# Altium PCB PCB_Chassisv1.0.PcbDoc (part 1 of 3) (continued)
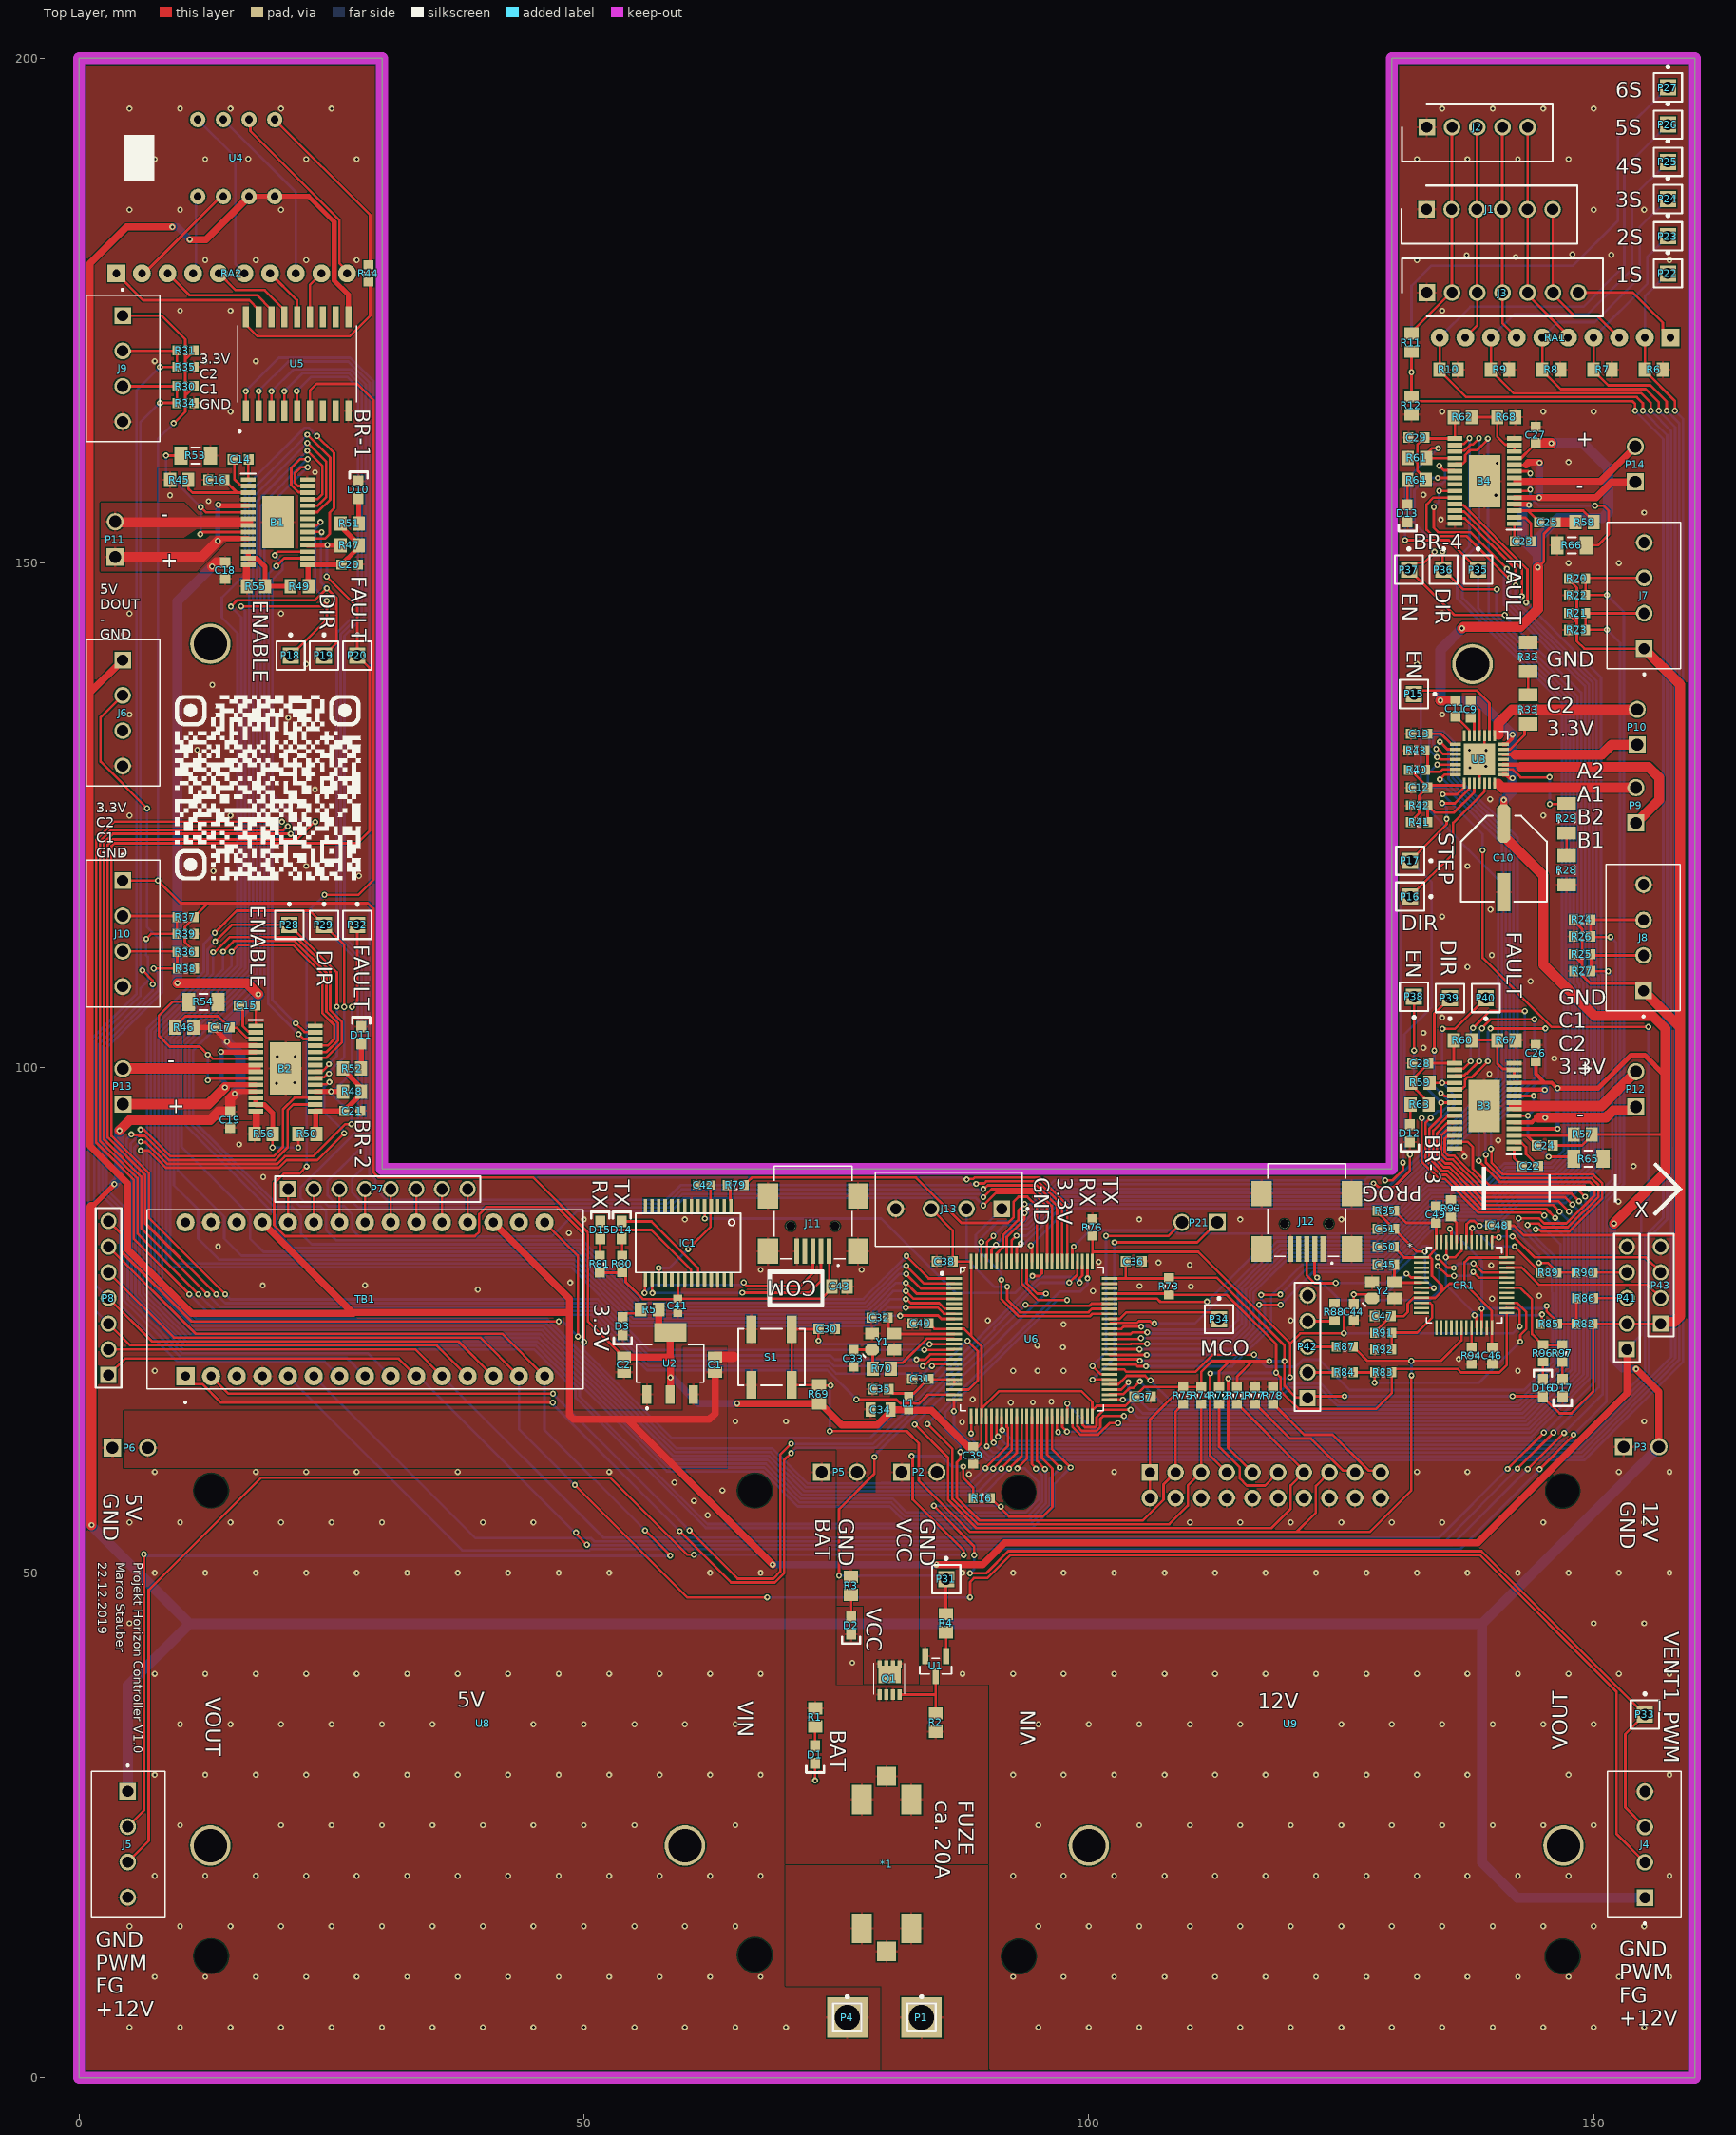
[diagram p0: Top Layer view]
## Components (designator, comment, footprint, x,y, rotation, side; value= is the part's Value field where it differs from the comment) (continued)
R47 "100k" "RES_0805i_2012m -N" 26.797,151.765 r0 top
R48 "100k" "RES_0805i_2012m -N" 27.051,97.663 r0 top
R49 "10k" "RES_0805i_2012m -N" 21.844,147.701 r0 top
R50 "10k" "RES_0805i_2012m -N" 22.606,93.472 r0 top
R51 "3k" "RES_0805i_2012m -N" 26.797,153.924 r180 top
R52 "3k" "RES_0805i_2012m -N" 27.04,99.949 r180 top
R53 "50m" "RES_1206i_C3216m -N" 11.557,160.655 r180 top
R54 "50m" "RES_1206i_C3216m -N" 12.319,106.553 r180 top
R55 "3k" "RES_0805i_2012m -N" 17.526,147.701 r0 top
R56 "3k" "RES_0805i_2012m -N" 18.288,93.472 r0 top
R57 "1M" "RES_0805i_2012m -N" 148.92,93.421 r180 top
R58 "1M" "RES_0805i_2012m -N" 149.098,154.051 r0 top
R59 "100k" "RES_0805i_2012m -N" 132.842,98.552 r180 top
R60 "10k" "RES_0805i_2012m -N" 137.033,102.743 r180 top
R61 "100k" "RES_0805i_2012m -N" 132.512,160.426 r180 top
R62 "10k" "RES_0805i_2012m -N" 137.033,164.465 r180 top
R63 "3k" "RES_0805i_2012m -N" 132.766,96.393 r0 top
R64 "3k" "RES_0805i_2012m -N" 132.461,158.242 r0 top
R65 "50m" "RES_1206i_C3216m -N" 149.479,91.008 r180 top
R66 "50m" "RES_1206i_C3216m -N" 147.828,151.765 r0 top
R67 "3k" "RES_0805i_2012m -N" 141.351,102.743 r180 top
R68 "3k" "RES_0805i_2012m -N" 141.34,164.465 r180 top
R69 "10k" "RES_0805i_2012m -N" 73.279,67.691 r90 top
R70 "390" "RES_0805i_2012m -N" 79.502,70.231 r180 top
R71 "10K" "RES_0603i_1608m -N" 114.681,67.564 r90 top
R72 "10K" "RES_0603i_1608m -N" 112.903,67.564 r90 top
R73 "10K" "RES_0603i_1608m -N" 107.925,78.384 r90 top
R74 "10K" "RES_0603i_1608m -N" 111.125,67.564 r90 top
R75 "10K" "RES_0603i_1608m -N" 109.347,67.564 r90 top
R76 "10K" "RES_0603i_1608m -N" 100.355,84.226 r270 top
R77 "10K" "RES_0603i_1608m -N" 116.459,67.564 r270 top
R78 "10K" "RES_0603i_1608m -N" 118.237,67.564 r270 top
R79 "10" "RES_0603i_1608m -N" 65.024,88.392 r0 top
R80 "1k" "RES_0603i_1608m -N" 53.772,80.594 r270 top
R81 "1k" "RES_0603i_1608m -N" 51.587,80.569 r270 top
R82 "680" "RES_0603i_1608m -N" 149.098,74.676 r0 top
R83 "100" "RES_0603i_1608m -N" 129.159,69.85 r0 top
R84 "22" "RES_0603i_1608m -N" 125.349,69.85 r0 top
R85 "220" "RES_0603i_1608m -N" 145.581,74.676 r180 top
R86 "22" "RES_0603i_1608m -N" 149.137,77.216 r0 top
R87 "22" "RES_0603i_1608m -N" 125.349,72.39 r0 top
R88 "22" "RES_0603i_1608m -N" 124.333,75.819 r90 top
R89 "220" "RES_0603i_1608m -N" 145.542,79.756 r180 top
R90 "22" "RES_0603i_1608m -N" 149.098,79.756 r180 top
R91 "100k" "RES_0603i_1608m -N" 129.159,73.787 r180 top
R92 "100k" "RES_0603i_1608m -N" 129.159,72.136 r0 top
R93 "10k" "RES_0603i_1608m -N" 135.865,86.081 r270 top
R94 "10k" "RES_0603i_1608m -N" 137.922,71.501 r90 top
R95 "1k" "RES_0603i_1608m -N" 129.413,85.852 r180 top
R96 "1k" "RES_0603i_1608m -N" 144.983,71.755 r90 top
R97 "1k" "RES_0603i_1608m -N" 146.888,71.73 r90 top
RA1 "100k" *SIP-10 157.607,172.339 r270 top
RA2 "1k" *SIP-10 3.683,178.689 r90 top
S1 "RESET" B3SL-1002P 68.58,71.374 r270 top
TB1 "ARDUINO_NANO" *SHIELD_ARDUINO_NANO 28.321,77.089 r90 top
U1 "Part Number: MMBT3904-7-F" SOT-23-M 84.836,40.767 r180 top value=Value
U2 "AZ1117EH-3.3TRG1" *SOT230P700X180-4N 58.547,70.739 r90 top
U3 "A4988SETTR-T" *QFN50P500X500X100-29N 138.684,130.556 r270 top
U4 "CD74HC4050PWR" KYX3118BRG 19.38,193.929 r180 top
U5 "ULN2803ADWRG4" *SOIC127P1030X265-18N 21.59,169.731 r90 top
U6 "STM32F107VCT6" *QFP50P1600X1600X160-100N 94.361,73.152 r0 top
U8 "DCDC-300W" DCDC-300W 40.005,35.154 r180 top
U9 "DCDC-300W" DCDC-300W 120,35 r0 top
Y1 "25MHz" "TSX-3225 2*2.5" 79.629,72.898 r180 top
Y2 "XTAL3" "TSX-3225 2*2.5" 129.159,77.978 r180 top

## Footprints (in the part's own frame and the unit in brackets; to place one, negate y for a bottom-side part, rotate by r counter-clockwise, add the part's x,y. Pads: shape width x height; smd on the part's side, far side on the other; paste and mask are expansions set on the pad)
"3.5MM Phoenix Contact 1984617" [mm]
  rect 1.7x1.7 hole 1.2: 1(0,0)
  round 1.7 hole 1.2: 2(3.5,0)
  body extent -1.67,-4.53 5.9,3.07, height 25.89
*0603 [mm]
  rect 1.1x1 smd: 1(-0.85,0) 2(0.85,0)
  silkscreen extent -1.78,-0.89 -1.14,0.89, body extent -0.8,-0.42 0.8,0.38, height 0.8
*CUI_UJ2-MABH-4-SMT_UJ2-MABH-4-SMT(Primary) [mm]
  rect 0.5x2.5 smd: 1(0,0) 2(0.8,0) 3(1.6,0) 4(2.4,0) 5(3.2,0)
  round 0.9 hole 0.9 unplated: None(-0.6,-2.51) None(3.8,-2.51)
  rect 2x2.5 smd: SH1(-2.86,0) SH2(6.06,0) SH3(-2.86,-5.48) SH4(6.06,-5.48)
  silkscreen extent -2.26,-8.45 5.46,1.48, body extent -3.18,-8.42 6.48,0.96, height 3.93
*PHOENIX_1751264 [mm]
  rect 1.65x1.65 hole 1.1: 1(-5.25,0)
  round 1.65 hole 1.1: 2(-1.75,0) 3(1.75,0) 4(5.25,0)
  silkscreen extent -7.9,-3.6 7.25,3.7, body extent -7.24,-3.56 7.26,3.74, height 8.5
*QFN50P500X500X100-29N [mil]
  rect 42x12 smd: 1(-93,59) 2(-93,39) 3(-93,20) 4(-93,0) 5(-93,-20) 6(-93,-39) 7(-93,-59) 15(93,-59) 16(93,-39) 17(93,-20) 18(93,0) 19(93,20) 20(93,39) 21(93,59)
  rect 12x42 smd: 8(-59,-93) 9(-39,-93) 10(-20,-93) 11(0,-93) 12(20,-93) 13(39,-93) 14(59,-93) 22(59,93) 23(39,93) 24(20,93) 25(0,93) 26(-20,93) 27(-39,93) 28(-59,93)
  rect 124x124 smd: 29(0,0)
  silkscreen extent -110,78 -78,110, body extent -99,-99 99,99, height 35
*QFP50P1600X1600X160-100N [mm]
  rect 1.56x0.28 smd: 1(-7.68,6) 2(-7.68,5.5) 3(-7.68,5) 4(-7.68,4.5) 5(-7.68,4) 6(-7.68,3.5) 7(-7.68,3) 8(-7.68,2.5) 9(-7.68,2) 10(-7.68,1.5) 11(-7.68,1) 12(-7.68,0.5) 13(-7.68,0) 14(-7.68,-0.5) 15(-7.68,-1) 16(-7.68,-1.5) 17(-7.68,-2) 18(-7.68,-2.5) 19(-7.68,-3) 20(-7.68,-3.5) 21(-7.68,-4) 22(-7.68,-4.5) 23(-7.68,-5) 24(-7.68,-5.5) 25(-7.68,-6) 51(7.68,-6) 52(7.68,-5.5) 53(7.68,-5) 54(7.68,-4.5) 55(7.68,-4) 56(7.68,-3.5) 57(7.68,-3) 58(7.68,-2.5) 59(7.68,-2) 60(7.68,-1.5) 61(7.68,-1) 62(7.68,-0.5) 63(7.68,0) 64(7.68,0.5) 65(7.68,1) 66(7.68,1.5) 67(7.68,2) 68(7.68,2.5) 69(7.68,3) 70(7.68,3.5) 71(7.68,4) 72(7.68,4.5) 73(7.68,5) 74(7.68,5.5) 75(7.68,6)
  rect 0.28x1.56 smd: 26(-6,-7.68) 27(-5.5,-7.68) 28(-5,-7.68) 29(-4.5,-7.68) 30(-4,-7.68) 31(-3.5,-7.68) 32(-3,-7.68) 33(-2.5,-7.68) 34(-2,-7.68) 35(-1.5,-7.68) 36(-1,-7.68) 37(-0.5,-7.68) 38(0,-7.68) 39(0.5,-7.68) 40(1,-7.68) 41(1.5,-7.68) 42(2,-7.68) 43(2.5,-7.68) 44(3,-7.68) 45(3.5,-7.68) 46(4,-7.68) 47(4.5,-7.68) 48(5,-7.68) 49(5.5,-7.68) 50(6,-7.68) 76(6,7.68) 77(5.5,7.68) 78(5,7.68) 79(4.5,7.68) 80(4,7.68) 81(3.5,7.68) 82(3,7.68) 83(2.5,7.68) 84(2,7.68) 85(1.5,7.68) 86(1,7.68) 87(0.5,7.68) 88(0,7.68) 89(-0.5,7.68) 90(-1,7.68) 91(-1.5,7.68) 92(-2,7.68) 93(-2.5,7.68) 94(-3,7.68) 95(-3.5,7.68) 96(-4,7.68) 97(-4.5,7.68) 98(-5,7.68) 99(-5.5,7.68) 100(-6,7.68)
  silkscreen extent -9.02,-7.1 7.1,7.1, body extent -8,-8 8,8, height 1.5
*SHIELD_ARDUINO_NANO [mm]
  rect 1.8x1.8 hole 0.9: 1(-7.62,17.78)
  round 1.8 hole 0.9: 2(-7.62,15.24) 3(-7.62,12.7) 4(-7.62,10.16) 5(-7.62,7.62) 6(-7.62,5.08) 7(-7.62,2.54) 8(-7.62,0) 9(-7.62,-2.54) 10(-7.62,-5.08) 11(-7.62,-7.62) 12(-7.62,-10.16) 13(-7.62,-12.7) 14(-7.62,-15.24) 15(-7.62,-17.78) 16(7.62,-17.78) 17(7.62,-15.24) 18(7.62,-12.7) 19(7.62,-10.16) 20(7.62,-7.62) 21(7.62,-5.08) 22(7.62,-2.54) 23(7.62,0) 24(7.62,2.54) 25(7.62,5.08) 26(7.62,7.62) 27(7.62,10.16) 28(7.62,12.7) 29(7.62,15.24) 30(7.62,17.78)
  silkscreen extent -10.3,-21.59 8.89,21.59, body extent -9.13,-23.27 8.87,21.73, height 12.7
*SIP-10 [mil]
  rect 70x70 hole 30: 1(0,0)
  round 70 hole 30: 2(0,-100) 3(0,-200) 4(0,-300) 5(0,-400) 6(0,-500) 7(0,-600) 8(0,-700) 9(0,-800) 10(0,-900)
  body extent -49,-945 49,53, height 195
*SOIC127P1030X265-18N [mm]
  rect 2.06x0.6 smd: 1(-4.64,5.08) 2(-4.64,3.81) 3(-4.64,2.54) 4(-4.64,1.27) 5(-4.64,0) 6(-4.64,-1.27) 7(-4.64,-2.54) 8(-4.64,-3.81) 9(-4.64,-5.08) 10(4.64,-5.08) 11(4.64,-3.81) 12(4.64,-2.54) 13(4.64,-1.27) 14(4.64,0) 15(4.64,1.27) 16(4.64,2.54) 17(4.64,3.81) 18(4.64,5.08)
  silkscreen extent -6.8,-5.87 3.8,5.87, body extent -5.15,-5.77 5.15,5.77, height 2.65
*SOT230P700X180-4N [mm]
  rect 1.86x0.9 smd: 1(-3.075,2.3) 2(-3.075,0) 3(-3.075,-2.3)
  rect 1.86x3.19 smd: 4(3.075,0)
  silkscreen extent -4.55,-3.35 1.85,3.35, body extent -3.48,-3.25 3.48,3.25, height 1.66
*SSOP28-LD [mm]
  rect 0.348x1.397 smd: 1(-4.225,-3.656) 2(-3.575,-3.656) 3(-2.925,-3.656) 4(-2.275,-3.656) 5(-1.625,-3.656) 6(-0.975,-3.656) 7(-0.325,-3.656) 8(0.325,-3.656) 9(0.975,-3.656) 10(1.625,-3.656) 11(2.275,-3.656) 12(2.925,-3.656) 13(3.575,-3.656) 14(4.225,-3.656) 15(4.225,3.656) 16(3.575,3.656) 17(2.925,3.656) 18(2.275,3.656) 19(1.625,3.656) 20(0.975,3.656) 21(0.325,3.656) 22(-0.325,3.656) 23(-0.975,3.656) 24(-1.625,3.656) 25(-2.275,3.656) 26(-2.925,3.656) 27(-3.575,3.656) 28(-4.225,3.656)
  silkscreen extent -5.2,-2.93 5.2,2.93, body extent -5.17,-3.88 5.16,3.88, height 2.16
B3SL-1002P [mm] "Omrom"
  rect 2.75x1 smd: 1(-2.75,2) 1(2.75,2) 2(-2.75,-2) 2(2.75,-2)
  silkscreen extent -2.79,-3.3 2.79,3.3, body extent -3.5,-3.25 3.5,3.25, height 3.4
"CAP_0603i_1608m -L" [mm] "Chip Capacitor, Body 1.6x0.8mm, IPC High Density"
  rect 0.8x0.9 smd: 1(-0.7,0) 2(0.7,0)
  body extent -0.8,-0.4 0.8,0.4, height 0.8
"CAP_0603i_1608m -N" [mm] "Chip Capacitor, Body 1.6x0.8mm, IPC Medium Density"
  rect 1x1 smd: 1(-0.8,0) 2(0.8,0)
  body extent -0.8,-0.4 0.8,0.4, height 0.8
"CAP_0805i_2012m -L" [mm] "Chip Capacitor, Body 2.0x1.3mm, IPC High Density"
  rect 1.1x1.4 smd: 1(-0.75,0) 2(0.75,0)
  body extent -1,-0.62 1,0.63, height 0.6
"CAP_0805i_2012m -N" [mm] "Chip Capacitor, Body 2.0x1.3mm, IPC Medium Density"
  rect 1x1.4 smd: 1(-1,0) 2(1,0)
  body extent -1,-0.62 1,0.63, height 0.6
Cap_F-Type-Package [mm] "elko \"mug\"-style package"
  oct 1.3x3.8 smd: 1(0,0)
  rect 1.3x3.8 smd: 2(0,6.8)
  silkscreen extent -4.26,-0.76 4.26,7.74, body extent -4.15,-1.52 4.15,8.38, height 10.2
DCDC-300W [mil] "6-36V 20A"
  round 60 hole 129.92 unplated: 0(-1060,-905) 0(-1060,905) 0(1060,-905) 0(1060,910)
  body extent -1181,-1186 1181,1199, height 1146
FUSE-3586KTR [mm]
  rect 1.9x1.9 smd: 1(0,0) 2(17.34,0)
  rect 2.9x2 smd: 1(2.29,-2.45) 1(2.29,2.45) 2(15.05,-2.45) 2(15.05,2.45)
HDR1X4 [mm] "Connector; Header; 4 Position"
  rect 1.6x1.6 hole 1.1: 1(0,0)
  round 1.6 hole 1.1: 2(2.54,0) 3(5.08,0) 4(7.62,0)
  silkscreen extent -1.27,-1.27 8.89,1.27, body extent -1.27,-1.27 8.89,1.27, height 10.3
HDR1X5 [mm] "Connector; Header; 5 Position"
  rect 1.6x1.6 hole 1.1: 1(0,0)
  round 1.6 hole 1.1: 2(2.54,0) 3(5.08,0) 4(7.62,0) 5(10.16,0)
  silkscreen extent -1.27,-1.27 11.43,1.27, body extent -1.27,-1.27 11.43,1.27, height 10.3
HDR1X7 [mm] "Connector; Header; 7 Position"
  rect 1.6x1.6 hole 1.1: 1(0,0)
  round 1.6 hole 1.1: 2(2.54,0) 3(5.08,0) 4(7.62,0) 5(10.16,0) 6(12.7,0) 7(15.24,0)
  silkscreen extent -1.27,-1.27 16.51,1.27
HDR1X8 [mm] "Connector; Header; 8 Position"
  rect 1.6x1.6 hole 1.1: 1(0,0)
  round 1.6 hole 1.1: 2(2.54,0) 3(5.08,0) 4(7.62,0) 5(10.16,0) 6(12.7,0) 7(15.24,0) 8(17.78,0)
  silkscreen extent -1.27,-1.27 19.05,1.27, body extent -1.17,-1.24 19.15,1.25, height 8.2
IDC-20 [mm] "Connector; IDC, Low Profile Male Header, Thru-Hole; 20 Position; Vertical; Pitch 2.54 mm; Body 33.02 x 9.2 x 9.45 mm (LxWxH)"
  rect 1.65x1.65 hole 1: 1(-11.43,-1.27)
  round 1.65 hole 1: 2(-11.43,1.27) 3(-8.89,-1.27) 4(-8.89,1.27) 5(-6.35,-1.27) 6(-6.35,1.27) 7(-3.81,-1.27) 8(-3.81,1.27) 9(-1.27,-1.27) 10(-1.27,1.27) 11(1.27,-1.27) 12(1.27,1.27) 13(3.81,-1.27) 14(3.81,1.27) 15(6.35,-1.27) 16(6.35,1.27) 17(8.89,-1.27) 18(8.89,1.27) 19(11.43,-1.27) 20(11.43,1.27)
  silkscreen extent -16.51,-5.37 16.51,4.6, body extent -16.51,-4.37 16.51,4.73, height 9.15
"IND_0603i_1608m -L" [mm] "Chip Inductor, Body 1.6x0.8mm, IPC High Density"
  rect 0.8x0.9 smd: 1(-0.7,0) 2(0.7,0)
  body extent -0.87,-0.48 0.87,0.48, height 0.71
KYX3118BRG [mil]
  round 60 hole 30: A-IN(0,300) A-OUT(0,0) B(100,0) B-F(100,300) C(200,0) D(300,0) E(300,300) F(200,300)
  silkscreen extent 470,60 590,240
LQFP-48 [mm]
  rect 1.462x0.239 smd: 1(-4.216,2.75) 2(-4.216,2.25) 3(-4.216,1.75) 4(-4.216,1.25) 5(-4.216,0.75) 6(-4.216,0.25) 7(-4.216,-0.25) 8(-4.216,-0.75) 9(-4.216,-1.25) 10(-4.216,-1.75) 11(-4.216,-2.25) 12(-4.216,-2.75) 25(4.216,-2.75) 26(4.216,-2.25) 27(4.216,-1.75) 28(4.216,-1.25) 29(4.216,-0.75) 30(4.216,-0.25) 31(4.216,0.25) 32(4.216,0.75) 33(4.216,1.25) 34(4.216,1.75) 35(4.216,2.25) 36(4.216,2.75)
  rect 0.239x1.462 smd: 13(-2.75,-4.216) 14(-2.25,-4.216) 15(-1.75,-4.216) 16(-1.25,-4.216) 17(-0.75,-4.216) 18(-0.25,-4.216) 19(0.25,-4.216) 20(0.75,-4.216) 21(1.25,-4.216) 22(1.75,-4.216) 23(2.25,-4.216) 24(2.75,-4.216) 37(2.75,4.216) 38(2.25,4.216) 39(1.75,4.216) 40(1.25,4.216) 41(0.75,4.216) 42(0.25,4.216) 43(-0.25,4.216) 44(-0.75,4.216) 45(-1.25,4.216) 46(-1.75,4.216) 47(-2.25,4.216) 48(-2.75,4.216)
  silkscreen extent -3.73,-3.73 3.73,3.73, body extent -4.6,-4.6 4.6,4.6, height 1.6
PIN1#1 [mm] "Connector; Plug"
  rect 4x4 hole 2.5: 1(0,0)
  silkscreen extent -1.4,-1.4 1.4,2.17
PIN1#2 [mm] "Connector; Plug"
  rect 1.6x1.6 hole 1.1: 1(0,0)
  silkscreen extent -1.4,-1.4 1.4,2.18
"RES_0603i_1608m -N" [mm] "Chip Resistor, Body 1.6x0.8mm, IPC Medium Density"
  rect 0.9x1 smd: 1(-0.85,0) 2(0.85,0)
  silkscreen extent -0.13,-0.38 0.13,0.38, body extent -0.8,-0.4 0.8,0.4, height 0.4
"RES_0805i_2012m -N" [mm] "Chip Resistor, Body 2.0x1.3mm, IPC Medium Density"
  rect 1.2x1.4 smd: 1(-0.9,0) 2(0.9,0)
  body extent -1,-0.62 1,0.63, height 0.5
"RES_1206i_C3216m -N" [mm] "Chip Resistor, Body 3.2x1.6mm, IPC Medium Density"
  rect 1.3x1.8 smd: 1(-1.45,0) 2(1.45,0)
  silkscreen extent -0.4,-0.8 0.4,0.8, body extent -1.68,-0.87 1.68,0.87, height 0.71
SHDR5W64P0X250_1X5_1490X575X700P [mm]
  rect 1.65x1.65 / inner round 1.65 / far side rect 1.65x1.65 hole 1.1: 1(0,0)
  round 1.65 hole 1.1: 2(-2.5,0) 3(-5,0) 4(-7.5,0) 5(-10,0)
  silkscreen extent -12.45,-2.35 2.45,3.4, body extent -12.4,-3.34 2.5,2.41, height 7
SHDR6W64P0X250_1X6_1740X575X700P [mm]
  rect 1.65x1.65 / inner round 1.65 / far side rect 1.65x1.65 hole 1.1: 1(0,0)
  round 1.65 hole 1.1: 2(-2.5,0) 3(-5,0) 4(-7.5,0) 5(-10,0) 6(-12.5,0)
  silkscreen extent -14.95,-2.35 2.45,3.4, body extent -14.92,-3.43 2.48,2.32, height 7
SHDR7W64P0X250_1X7_1990X575X700P [mm]
  rect 1.65x1.65 / inner round 1.65 / far side rect 1.65x1.65 hole 1.1: 1(0,0)
  round 1.65 hole 1.1: 2(2.5,0) 3(5,0) 4(7.5,0) 5(10,0) 6(12.5,0) 7(15,0)
  silkscreen extent -2.45,-2.35 17.45,3.4, body extent -2.45,-2.35 17.45,3.4, height 7
SIS862DNT1GE3 [mm]
  rect 0.99x0.405 smd: 1(-1.555,0.992) 2(-1.555,0.332) 3(-1.555,-0.328) 4(-1.555,-0.988)
  rect 0.51x0.405 smd: 5(1.555,-0.988) 6(1.555,-0.328) 7(1.555,0.332) 8(1.555,0.992)
  rect 1.725x2.235 smd: 9(0.438,0.002)
  rect 0.25x0.077 smd: 10(1.175,-1.156) 11(1.175,1.156)
  silkscreen extent -1.53,-1.53 1.56,1.53
SOP65P640X120-29N [mm]
  rect 1.475x0.45 smd: 1(-2.938,4.225) 2(-2.938,3.575) 3(-2.938,2.925) 4(-2.938,2.275) 5(-2.938,1.625) 6(-2.938,0.975) 7(-2.938,0.325) 8(-2.938,-0.325) 9(-2.938,-0.975) 10(-2.938,-1.625) 11(-2.938,-2.275) 12(-2.938,-2.925) 13(-2.938,-3.575) 14(-2.938,-4.225) 15(2.938,-4.225) 16(2.938,-3.575) 17(2.938,-2.925) 18(2.938,-2.275) 19(2.938,-1.625) 20(2.938,-0.975) 21(2.938,-0.325) 22(2.938,0.325) 23(2.938,0.975) 24(2.938,1.625) 25(2.938,2.275) 26(2.938,2.925) 27(2.938,3.575) 28(2.938,4.225)
  rect 3.1x5.18 smd: 29(0,0)
  silkscreen extent -3.67,4.8 -2.2,4.8, body extent -3.2,-4.85 3.2,4.85, height 1.2
SOT-23-M [mm]
  rect 0.61x1.61 smd paste+0 mask+0: 1(-1.025,-0.995) 2(1.025,-0.995) 3(0,0.995)
  silkscreen extent -1.58,-0.78 1.58,0.78, body extent -1.5,-1.25 1.5,1.25, height 1.06
"TSX-3225 2*2.5" [mm]
  oct 1.4x1.15 smd: 1(1.1,0.8)
  rect 1.4x1.15 smd: 2(-1.1,0.8) 3(-1.1,-0.8) 4(1.1,-0.8)
  silkscreen extent 1.78,1.27 2.03,1.52, body extent -1.6,-1.23 1.6,1.27, height 0.6

## Part data
B1 B2 B3 B4: "Texas Instruments DRV8840PWP, Full Bridge Motor Driver, DC Motor Driver, 28-Pin HTSSOP", Manufacturer_Name="Texas Instruments", Mouser Part Number=595-DRV8840PWP, Datasheet Link=http://www.ti.com/lit/ds/symlink/drv8840.pdf, Geometry.Height=1.2mm, Manufacturer_Part_Number=DRV8840PWP, Mouser Price/Stock=https://www.mouser.com/Search/Refine.aspx?Keyword=595-DRV8840PWP
C1 C2 C9 C11 C12 C13 C16 C17 C18 C19 C20 C21 C24 C25 C26 C27 C28 C29 C31 C32 C33 C34 C35 C36 C37 C38 C39 C40 C41 C42 C43 C44 C45 C46 C47 C48 C49 C50 C51: library part Cap, "capacitor"
C10: library part "Cap pol2", "polarised capacitor alternative"
C14 C15 C22 C23: library part Cap, "50V"
C30: "capacitor"
D1 D2 D3 D10 D11 D12 D13 D14 D16: library part LTST-C191KGKT, "LED; SMD; 0603; grün; 35mcd; 1.6x0.8x0.55mm; 130Â°; 2Ã·2.V; 20mA", Package="0603 Lite-On", Digi-Key_Part_Number=160-1446-1-ND, Digi-Key_Purchase_URL=https://www.digikey.ch/product-detail/de/lite-on-inc/LTST-C191KGKT/160-1446-1-ND/386834, MF="Lite-On Inc.", MP=LTST-C191KGKT, SnapEDA_Link=https://www.snapeda.com/parts/LTST-C191KFKT/Lite-On%20Inc./view-part/?ref=snap
D15 D17: library part LTST-C191KFKT, "LED; SMD; 0603; orange; 45-90mcd; 1.6x0.8x0.55mm; 130°; 2÷2.4V; 20mA", Package="0603 Lite-On", Digi-Key_Part_Number=160-1445-1-ND, Digi-Key_Purchase_URL=https://www.digikey.com/product-detail/en/lite-on-inc/LTST-C191KFKT/160-1445-1-ND/386832?utm_source=snapeda&utm_medium=aggregator&utm_campaign=symbol, MF="Lite-On Inc.", MP=LTST-C191KFKT, SnapEDA_Link=https://www.snapeda.com/parts/LTST-C191KFKT/Lite-On%20Inc./view-part/?ref=snap
IC1: "USB-to-UART 1-CH 256byte FIFO 5V 28-Pin SSOP Tube", Package="SSOP-28 FTDI", Digi-Key_Part_Number=768-1306-ND, Digi-Key_Purchase_URL=https://www.digikey.com/product-detail/en/ftdi-future-technology-devices-international-ltd/FT232RL-TUBE/768-1306-ND/4006920?utm_source=snapeda&utm_medium=aggregator&utm_campaign=symbol, MF=FTDI,, MP=FT232RL-TUBE, SnapEDA_Link=https://www.snapeda.com/parts/FT232RL-TUBE/FTDI%2C%20Future%20Technology%20Devices%20International%20Ltd/view-part/?ref=snap
J1: "XH connector, 6 way", Manufacturer_Name="JST (JAPAN SOLDERLESS TERMINALS)", RS Part Number=8201563P, Datasheet Link=http://www.jst-mfg.com/product/pdf/eng/eXH.pdf, Geometry.Height=7mm, Manufacturer_Part_Number=B6B-XH-A(LF)(SN), RS Price/Stock=http://uk.rs-online.com/web/p/products/8201563P
J2: "XH connector, 5 way", Manufacturer_Name="JST (JAPAN SOLDERLESS TERMINALS)", RS Part Number=8201560P, Datasheet Link=http://www.jst-mfg.com/product/pdf/eng/eXH.pdf, Geometry.Height=7mm, Manufacturer_Part_Number=B5B-XH-A(LF)(SN), RS Price/Stock=http://uk.rs-online.com/web/p/products/8201560P
J3: library part B7B-XH-A(LF)(SN), "Shrouded hdr,XH,2.5mm pitch,straight,7w JST XH Series, 2.5mm Pitch 7 Way 1 Row Straight PCB Header, Solder Termination, 3A", Manufacturer_Name="JST (JAPAN SOLDERLESS TERMINALS)", RS Part Number=8201567P, Datasheet Link=http://www.jst-mfg.com/product/pdf/eng/eXH.pdf, Geometry.Height=7mm, Manufacturer_Part_Number=B7B-XH-A(LF)(SN), RS Price/Stock=http://uk.rs-online.com/web/p/products/8201567P
J4 J5 J6 J7 J8 J9 J10 J13: library part "Terminal 4 Pin", "Conn; Term Blk; Screw; 4: 3.5 mm; 26-16 AWG; 10 A; 160 V; Solder; 2.5 kV; PA", Package=None, Digi-Key_Part_Number=277-5744-ND, Digi-Key_Purchase_URL=https://www.digikey.com/product-detail/en/phoenix-contact/1751264/277-5744-ND/2511021?utm_source=snapeda&utm_medium=aggregator&utm_campaign=symbol, MF="Phoenix Contact", MP=1751264, SnapEDA_Link=https://www.snapeda.com/parts/1751264/Phoenix%20Contact/view-part/1231309/?ref=snap
J11: "Mini AB, USB 2.0, 1 A, Right Angle, Surface Mount _SMT_, USB Receptacle", Package=None, CUI_purchase_URL=https://www.cui.com/product/interconnect/connectors/usb-connectors/uj2-mabh-smt-series?utm_source=snapeda.com&utm_medium=referral&utm_campaign=snapedaBOM, Digi-Key_Part_Number=102-5890-1-ND, Digi-Key_Purchase_URL=https://www.digikey.com/product-detail/en/cui-inc/UJ2-MABH-4-SMT-TR/102-5890-1-ND/9838992?utm_source=snapeda&utm_medium=aggregator&utm_campaign=symbol, MF="CUI Inc.", MP=UJ2-MABH-4-SMT, SnapEDA_Link=https://www.snapeda.com/parts/UJ2-MABH-4-SMT/CUI%20Inc./view-part/?ref=snap
J12: library part UJ2-MABH-4-SMT, "Mini AB, USB 2.0, 1 A, Right Angle, Surface Mount _SMT_, USB Receptacle", Package=None, CUI_purchase_URL=https://www.cui.com/product/interconnect/connectors/usb-connectors/uj2-mabh-smt-series?utm_source=snapeda.com&utm_medium=referral&utm_campaign=snapedaBOM, Digi-Key_Part_Number=102-5890-1-ND, Digi-Key_Purchase_URL=https://www.digikey.com/product-detail/en/cui-inc/UJ2-MABH-4-SMT-TR/102-5890-1-ND/9838992?utm_source=snapeda&utm_medium=aggregator&utm_campaign=symbol, MF="CUI Inc.", MP=UJ2-MABH-4-SMT, SnapEDA_Link=https://www.snapeda.com/parts/UJ2-MABH-4-SMT/CUI%20Inc./view-part/?ref=snap
P1 P4: library part Pad, "Single Pad or Testpoint"
P2 P3 P5 P6 P9 P10 P11 P12 P13 P14 P21: "Header, 2-Pin"
P7: library part "Header 8", "Header, 8-Pin"
P8: "Header, 7-Pin"
P15 P16 P17 P18 P19 P20 P22 P23 P24 P25 P26 P27 P28 P29 P31 P32 P33 P34 P35 P36 P37 P38 P39 P40: "Single Pad or Testpoint"
P30: "Connector; IDC, Male Header, Thru-Hole; 20 Position; Vertical; Pitch 2.54 mm; B"
P41 P42: library part "Header 5", "Header, 5-Pin"
P43: library part "Header 4", "Header, 4-Pin"
Q1: library part SI7615ADN-T1-GE3, "P-Channel MOSFET, 35 A, 20 V, 8-Pin PowerPAK 1212 Vishay", Manufacturer_Name=Vishay, Mouser Part Number=78-SI7615ADN-T1-GE3, RS Part Number=7879248, Allied_Number=70459567, Allied Price/Stock=https://www.alliedelec.com/siliconix-vishay-si7615adn-t1-ge3/70459567/, Datasheet Link=https://www.vishay.com/docs/62667/si7615adn.pdf, Manufacturer_Part_Number=SI7615ADN-T1-GE3, Mouser Price/Stock=https://www.mouser.com/Search/Refine.aspx?Keyword=78-SI7615ADN-T1-GE3, RS Price/Stock=https://uk.rs-online.com/web/p/products/7879248
R1 R2 R3 R4 R5 R6 R7 R8 R9 R10 R11 R12 R16 R20 R21 R22 R23 R24 R25 R26 R27 R28 R29 R30 R31 R32 R33 R34 R35 R36 R37 R38 R39 R41 R42 R43 R44 R45 R46 R47 R48 R49 R50 R51 R52 R53 R54 R55 R56 R57 R58 R59 R60 R61 R62 R63 R64 R65 R66 R67 R68 R69 R70 R71 R72 R73 R74 R75 R76 R77 R78 R79 R80 R81 R82 R83 R84 R85 R86 R87 R88 R89 R90 R91 R92 R93 R94 R95 R96 R97: library part Res, "Resistor"
R40: library part Res
RA1 RA2: library part "Res Array  5", "Isolated Resistor Network"
S1: library part "SW PB", "Switch"
TB1: "Dev.kit: Arduino; UART; ICSP, USB B mini, pin strips", Package=None, MF=Arduino, MP="ARDUINO NANO", SnapEDA_Link=https://www.snapeda.com/parts/ARDUINO%20NANO/Arduino/view-part/?ref=snap
U1: library part MMBT3904-7-F, "No Description Available", Built_By=EMA_UL_Team, Copyright="Copyright (C) 2018 Accelerated Designs. All rights reserved", Manufacturer_Part_Number=MMBT3904-7-F, RefDes=RefDes, Type=DEV, Vendor="Diodes Inc"
U2: "Ldo.Vreg Pos 3, 3v 1a Sot223", Package="SOT-223 Diodes Inc.", Digi-Key_Part_Number=AZ1117EH-3.3TRG1DICT-ND, Digi-Key_Purchase_URL=https://www.digikey.ch/product-detail/en/diodes-incorporated/AZ1117EH-3.3TRG1/AZ1117EH-3.3TRG1DICT-ND/5001336?utm_source=snapeda&utm_medium=aggregator&utm_campaign=symbol, MF="Diodes Inc.", MP=AZ1117EH-3.3TRG1, SnapEDA_Link=https://www.snapeda.com/parts/AZ1117EH-3.3TRG1/Diodes%20Inc./view-part/?ref=snap
U3: "DMOS Microstepping Driver with Translator and Overcurrent Protection", Package="QFN-28 Allegro MicroSystems LLC", Digi-Key_Part_Number=620-1343-1-ND, Digi-Key_Purchase_URL=https://www.digikey.ch/product-detail/en/allegro-microsystems/A4988SETTR-T/620-1343-1-ND/2238004?utm_source=snapeda&utm_medium=aggregator&utm_campaign=symbol, MF=Allegro, MP=A4988SETTR-T, SnapEDA_Link=https://www.snapeda.com/parts/A4988SETTR-T/Allegro%20Industries/view-part/46276/?ref=snap
U4: library part KYX3118BRG, Manufacturer="Texas Instruments", Built_By=EMA_UL_Team, C="Copyright (C) 2015 Accelerated Designs. All rights reserved", Manufacturer_Part_Number=CD74HC4050PWR, Vendor=Vendor
U5: "Trans Darlington NPN 50V 0.5A 18-Pin SOIC T/R", Package="SOIC-18 Texas Instruments", Digi-Key_Part_Number=296-35964-1-ND, Digi-Key_Purchase_URL=https://www.digikey.com/product-detail/en/texas-instruments/ULN2803ADWRG4/296-35964-1-ND/4134939?utm_source=snapeda&utm_medium=aggregator&utm_campaign=symbol, MF="Texas Instruments", MP=ULN2803ADWRG4, SnapEDA_Link=https://www.snapeda.com/parts/ULN2803ADWRG4/Texas%20Instruments/view-part/1177700/?ref=snap
U6: library part STM32F107VCT6_1, "STM32 Series 32-bit 256 kB Flash 64 kB RAM ARM Based Microcontroller -LQFP-100", Package="LQFP-100 STMicroelectronics", Availability=Unavailable, MF=STMicroelectronics, MP=STM32F107VCT6, Price=None, SnapEDA_Link=https://www.snapeda.com/parts/STM32F107VCT6/STMicroelectronics/view-part/?ref=snap
U8 U9: "6-36V 20A"
Y1: library part XTAL3, "Industrial Ceramic Resonator"
Y2: "Industrial Ceramic Resonator"
CR1: Built_By=EMA_UL_Team, C="Copyright (C) 2015 Accelerated Designs. All rights reserved", Manufacturer_Part_Number=STM32F103C8T6, Vendor=STMicroelectronics

## Free pads (board coordinates)
  round 4 hole 3.3 unplated: 1(13,23) 1(13,142) 1(60,23) 1(100,23) 1(138,140) 1(147,23)

## Via types
v1: diameter 0.6, hole 0.3, Top Layer to Bottom Layer, tented both sides, 760 vias

## Nets (pads, with @x,y where several pads share a name; then routed paths per layer and width w, separated by ;. In a path a pad name is that pad's centre, name@x,y a point inside that pad or via, vN(x,y) a via of type N, cw(c..) or ccw(c..) an arc to the next point about the centre after c; other vN are vias at no path point)
+3.3: C2.2 C34.2 C36.2 C37.2 C38.2 C39.2 C40.2 C46.2 C47.2 C48.2 C49.2 C50.2 CR1.1 CR1.9 CR1.24 CR1.36 CR1.48 D16.2 J7.1 J8.1 J9.1 J10.1 J13.3 L1.2 P30.1 P30.2 P41.2 P42.1 P43.1 R5.2 R20.2 R21.2 R24.2 R25.2 R30.2 R31.2 R36.2 R37.2 R69.1 R71.2 R72.2 R73.2 R74.2 R75.2 R82.2 R91.2 R95.1 U2.2 U2.4 U6.11 U6.28 U6.50 U6.75 U6.100 | length 533.3
  Top Layer w0.254: J10.1@4.318,118.562 v1(7.814,118.562) 10.044,116.332 12.788,116.332 ; J9.1@4.318,174.513 8.164,174.513 10.516,172.161 10.516,170.144 ; v1@9.385,163.843 10.516,164.973 10.516,166.588 ; R36.2@11.391,111.506 11.391,111.556 10.483,112.464 10.483,113.977 11.391,114.885 R37.2@11.391,114.935 11.391,114.985 11.714,115.308 11.764,115.308 12.788,116.332 ; R30.2@11.391,167.513 11.391,167.463 10.516,166.588 ; R31.2@11.391,171.069 11.391,171.019 10.516,170.144 ; C2.2@53.975,71.362 53.825,71.362 53.402,71.785 53.402,71.935 50.394,74.943 50.394,83.744 44.991,89.146 29.656,89.146 29.156,89.646 29.156,90.627 29.156,115.773 28.597,116.332 12.788,116.332 ; C40.2@84.137,74.727 84.712,74.152 U6.11@86.681,74.152 86.694,74.165 87.652,74.165 87.655,74.168 88.361,73.462 ; J13.3@84.381,86.055 86.525,83.912 C38.2@86.525,80.848 86.541,80.832 U6.100@88.361,80.832 88.361,73.462 ; C39.2@88.519,62.014 89.361,62.856 U6.28@89.361,65.472 89.374,65.485 89.374,66.264 ; U6.75@102.041,79.152 103.556,79.152 ; C36.2@103.645,80.848 103.645,79.241 103.556,79.152 ; P30.2@106.045,57.404 P30.1@106.045,59.944 106.045,65.162 R75.2@109.297,68.414 ; R73.2@107.925,79.234 112.663,79.234 119.372,72.525 119.372,68.512 120.447,67.437 120.447,67.399 120.485,67.361 121.615,67.361 P42.1@121.666,67.31 121.844,67.488 v1(125.324,67.488) ; R73.2@108.006,79.152 103.556,79.152 ; R72.2@112.903,68.414 112.903,69.952 113.919,70.968 ; R71.2@114.731,68.414 R71.2@114.681,68.414 114.681,69.444 116.205,70.968 ; v1(117.881,70.968) 116.205,70.968 ; R91.2@128.309,73.787 128.309,73.837 128.632,74.16 128.643,74.16 129.854,75.371 129.893,75.371 ccw(c129.827,75.438) C47.2@129.921,75.438 129.946,75.413 131.166,75.413 131.572,75.819 131.572,76.657 132.143,77.229 132.936,77.229 CR1.9@132.944,77.236 134.311,77.236 134.976,77.901 ; C50.2@130.175,82.296 131.235,81.236 CR1.1@132.944,81.236 ; R95.1@130.263,85.852 130.263,85.802 130.586,85.479 130.636,85.479 131.444,84.671 C49.2@134.366,84.671 cw(c134.26,84.565) 134.41,84.565 CR1.48@134.41,82.702 134.41,82.106 133.54,81.236 CR1.1@132.944,81.236 ; C46.2@139.954,72.301 139.91,72.345 CR1.24@139.91,74.27 139.91,75.958 137.223,78.645 137.211,78.645 ; C48.2@141.338,84.404 C48.2@141.364,84.379 ; v1(141.961,67.488) 144.893,67.488 144.944,67.437 D16.2@144.958,67.451 144.958,67.401 145.331,67.028 145.381,67.028 146.622,65.786 147.777,65.786 149.948,67.957 R82.2@149.948,74.676 P41.2@153.289,74.676 155.981,74.676 P43.1@156.311,74.346 ; R21.2@147.486,145.034 147.486,144.984 148.336,144.134 ; R20.2@147.486,148.463 147.486,148.413 148.336,147.563 148.336,144.134 ; R25.2@147.994,111.252 147.994,111.202 148.869,110.327 ; R24.2@147.994,114.681 147.994,114.631 148.869,113.756 148.869,110.327 ; J8.1@154.94,107.653 154.242,108.351 149.674,108.351 148.869,109.155 148.869,110.327 ; J7.1@155,141.534 149.067,141.534 148.336,142.265 148.336,144.134 ; 158.572,82.931 158.064,83.439 143.053,83.439 142.113,84.379 C48.2@141.364,84.379 ; 10.516,166.588 10.516,170.144 ; 88.361,73.462 89.374,72.449 89.374,66.264 ; 89.374,66.264 91.106,67.996 99.263,67.996 100.348,66.911 100.348,66.125 100.361,66.112 100.797,66.548 103.632,66.548 C37.2@104.521,67.437 105.498,68.414 R75.2@109.297,68.414 ; R75.2@109.297,68.414 R75.2@109.347,68.414 R74.2@111.125,68.414 111.125,69.901 112.192,70.968 113.919,70.968 ; 113.919,70.968 116.205,70.968 ; CR1.1@132.944,81.236 132.951,81.229 133.836,81.229 133.985,81.08 133.985,79.426 134.976,78.434 134.976,77.901 ; 134.976,77.901 135.721,78.645 137.211,78.645 ; 137.211,78.645 137.211,80.772 137.675,81.236 CR1.36@141.376,81.236 141.376,84.366 C48.2@141.364,84.379
  Top Layer w0.7: C2.2@53.975,71.362 58.459,71.362 58.547,71.45 ; R5.2@57.415,76.073 57.415,74.394 57.995,73.814 U2.4@58.547,73.814 58.547,71.45 ; U2.2@58.547,67.664 58.572,67.689 v1(58.572,69.342) 58.572,71.425 58.547,71.45 ; v1(65.176,66.777) 65.181,66.772 73.26,66.772 R69.1@73.279,66.791 73.379,66.791 75.533,64.637 79.045,64.637 80.375,65.967 C34.2@80.375,66.167 80.407,66.135 82.137,66.135 L1.2@82.169,66.102 84.431,66.102 C39.2@88.519,62.014
  Top Layer w1: J8.1@154.94,107.653 158.572,104.021 ; J7.1@155,141.534 158.572,137.962 158.572,104.021 ; P43.1@156.642,74.676 156.816,74.85 157.986,74.85 158.572,75.436 158.572,82.931 158.572,104.021
  Bottom Layer w0.254: v1(7.814,118.562) 7.814,162.297 v1(9.373,163.855) ; v1(117.881,70.968) v1(119.38,70.968) ; v1(125.324,67.488) v1(141.961,67.488)
  Bottom Layer w0.7: v1(58.572,69.342) 58.762,69.342 61.327,66.777 v1(65.176,66.777)
+5: C1.2 C12.2 J6.1 P6.2 P41.1 R40.2 R41.1 TB1.18 TB1.27 U2.3 U3.15 U4.A-IN U4.B-F U5.10 | length 442.2
  Top Layer w0.254: R41.1@131.865,124.333 131.865,124.383 132.715,125.233 132.715,126.962 C12.2@133.515,127.762 ; R40.2@131.865,129.54 131.865,129.49 133.142,128.213 133.142,128.135 C12.2@133.515,127.762 ; v1(135.052,127.102) 136.474,127.102 137.185,127.813 U3.15@137.185,128.02 ; U3.15@137.185,128.194 U3.15@137.185,128.02 ; v1(138.993,121.553) 138.993,110.914 145.843,104.064 v1(155.397,104.064) ; C12.2@133.515,127.762 133.748,127.995 137.16,127.995 U3.15@137.185,128.02
  Top Layer w0.5: U4.B-F@16.84,186.309 U4.A-IN@19.38,186.309 22.733,186.309 25.273,183.769 25.273,177.975 26.67,176.578 U5.10@26.67,174.371
  Top Layer w0.7: J6.1@4.318,140.406 1.087,137.175 ; v1(9.246,183.286) 4.699,183.286 1.087,179.674 1.087,137.175 ; v1(10.973,182.042) 12.573,182.042 U4.B-F@16.84,186.309 ; TB1.27@18.161,84.709 27.153,75.717 ; TB1.18@41.021,84.709 48.555,77.175 48.555,65.612 48.965,65.202 54.305,65.202 ; 48.438,75.768 48.423,75.783 27.218,75.783 27.153,75.717 ; C1.2@62.992,69.862 62.992,65.79 62.404,65.202 54.305,65.202 ; v1(68.682,50.825) 54.305,65.202 ; v1(84.912,50.825) 89.51,50.825 91.669,52.984 138.506,52.984 153.289,67.767 P41.1@153.289,72.136 ; 1.087,137.175 1.087,93.394 1.087,92.283 4.801,88.57 4.801,82.067 11.151,75.717 27.153,75.717
  Bottom Layer w0.254: v1(135.052,127.102) 138.993,123.16 v1(138.993,121.553) ; P41.1@153.289,72.136 154.692,73.539 154.692,86.285 155.397,86.99 v1(155.397,104.064)
  Bottom Layer w0.7: v1(9.246,183.286) 9.728,183.286 v1(10.973,182.042) ; v1(68.682,50.825) v1(84.912,50.825)
+5_PC: C41.2 C43.2 IC1.20 J11.1 R80.2 R81.2 | length 30.6
  Top Layer w0.254: R81.2@51.587,79.719 53.746,79.719 R80.2@53.772,79.744 53.822,79.744 54.145,79.421 54.145,78.803 55.828,77.119 59.274,77.119 C41.2@59.309,77.154 C41.2@59.359,77.154 ; IC1.20@59.35,79.021 59.35,77.163 C41.2@59.359,77.154 ; J11.1@74.285,81.945 74.285,78.635 C43.2@74.561,78.359 74.561,78.209 73.506,77.154 C41.2@59.359,77.154
+12: B1.4 B1.11 B2.4 B2.11 B3.4 B3.11 B4.4 B4.11 C10.1 C11.1 C16.1 C17.2 C18.1 C19.1 C24.2 C25.2 C26.1 C27.1 J4.1 J5.1 P3.2 R45.1 R46.1 R57.1 R58.1 U3.22 U3.28 | length 554.2
  Top Layer w0.254: B4.11@142.13,160.39 142.802,160.39 143.899,161.487 143.899,161.514 C27.1@144.272,161.887 ; v1(144.475,149.581) 145.059,150.165 145.059,152.895 C25.2@146.215,154.051 ; C24.2@145.961,92.329 148.828,92.329 149.82,93.321 R57.1@149.82,93.421 156.972,93.421 157.099,93.294
  Top Layer w0.4: U3.22@141.046,129.057 141.332,129.057 141.694,128.696 v1(141.961,128.696) ; U3.28@141.046,132.055 141.332,132.055 141.941,132.664 141.941,133.001 v1(141.961,133.02) ; B3.4@142.113,93.972 v1(146.418,93.972) ; B3.11@142.113,98.522 142.138,98.547 145.136,98.547 ; B4.4@142.13,155.84 B4.4@142.153,155.817 ; v1@143.468,155.817 143.534,155.751 v1(143.588,155.751) ; C26.1@144.272,100.673 144.272,99.411 145.136,98.547 ; v1(146.418,97.993) 146.38,97.993 145.826,98.547 145.136,98.547
  Top Layer w0.5: 1.016,86.004 1.245,86.233 v1(3.5,88.489) ; R46.1@11.325,104.013 C17.2@13.297,104.013 14.656,102.654 v1(14.656,102.616) 15.048,102.224 B2.4@17.509,102.224 ; v1@15.24,97.282 v1(15.418,97.46) 15.632,97.674 B2.11@17.509,97.674 ; B4.4@142.153,155.817 v1@143.468,155.817 ; v1(146.418,97.993) 150.419,97.993 153.695,101.27 155.042,101.27 157.099,99.212
  Top Layer w0.7: C10.1@141.097,124.206 v1(141.097,126.543) ; v1(154.203,70.18) 156.464,67.92 P3.2@156.464,62.484
  Top Layer w1: v1(1.245,54.737) 1.245,86.233 ; v1(4.013,93.802) 5.055,94.844 12.979,94.844 13.843,95.707 14.948,95.707 C19.1@14.986,95.669 14.986,97.009 v1@15.25,97.272 ; v1(9.754,108.407) 16.646,108.407 v1@17.755,107.299 ; v1(13.183,149.657) 13.589,150.063 C18.1@14.478,150.063 ; v1(134.823,136.398) 136.309,136.398 C11.1@136.322,136.385 ; v1(136.957,143.535) 137.121,143.7 142.735,143.7 144.475,145.44 v1(144.475,149.581) ; C10.1@141.097,124.206 141.097,122.956 145.029,119.024 145.029,110.215 150.101,105.144 155.841,105.144 157.099,103.886 157.099,99.212 157.099,93.294 157.099,89.687 v1(152.019,84.607) ; C27.1@144.272,161.887 144.285,161.874 v1(145.796,161.874) ; C25.2@146.215,154.051 R58.1@148.198,154.051
  Bottom Layer w0.4: v1(146.418,93.972) v1(146.418,97.993)
  Bottom Layer w0.7: 142.959,155.122 v1(143.588,155.751) ; v1(152.019,84.607) 151.87,84.458 151.87,71.12 152.81,70.18 v1(154.203,70.18)
  Bottom Layer w1: v1@1.237,54.661 10.94,44.958 ; v1(3.5,88.489) 3.97,88.959 v1@3.97,93.802 ; J5.1@4.826,28.364 4.826,38.844 10.94,44.958 ; v1(9.754,108.407) 9.754,146.228 v1(13.183,149.657) ; v1(15.418,97.46) 15.977,98.019 15.977,101.295 v1(14.656,102.616) 14.656,104.041 v1@17.83,107.215 ; v1(136.957,143.535) 134.823,141.402 v1(134.823,136.398) 138.582,136.398 v1(141.961,133.02) 141.961,127.406 v1(141.097,126.543) ; 142.959,155.122 142.959,152.367 144.475,150.851 ; v1(144.475,149.581) 144.475,150.851 ; v1(145.796,161.874) 148.946,161.874 151.435,159.385 151.435,155.043 150.849,154.457 146.482,154.457 144.475,152.451 144.475,150.851 ; J4.1@155.067,17.836 142.413,17.836 138.938,21.311 138.938,44.958 ; P3.2@156.464,62.484 138.938,44.958 ; 10.94,44.958 138.938,44.958
  other v1: 17.755,107.29 12.827,156.134 9.017,156.718
BL_USB_5V: J12.1